# Altium PCB BLDC_v3.PcbDoc (part 2 of 2)
Units mil, origin at the board's own origin, x right, y up, seen from the top; angles counter-clockwise.
Board outline 4645.67 x 4055.12 mil, 4 copper layers (Component Side, Signal Layer 1, Signal Layer 2, Solder Side), stack 33.235 mil thick; 202 components, 108 nets, 596 pads, 98 vias.
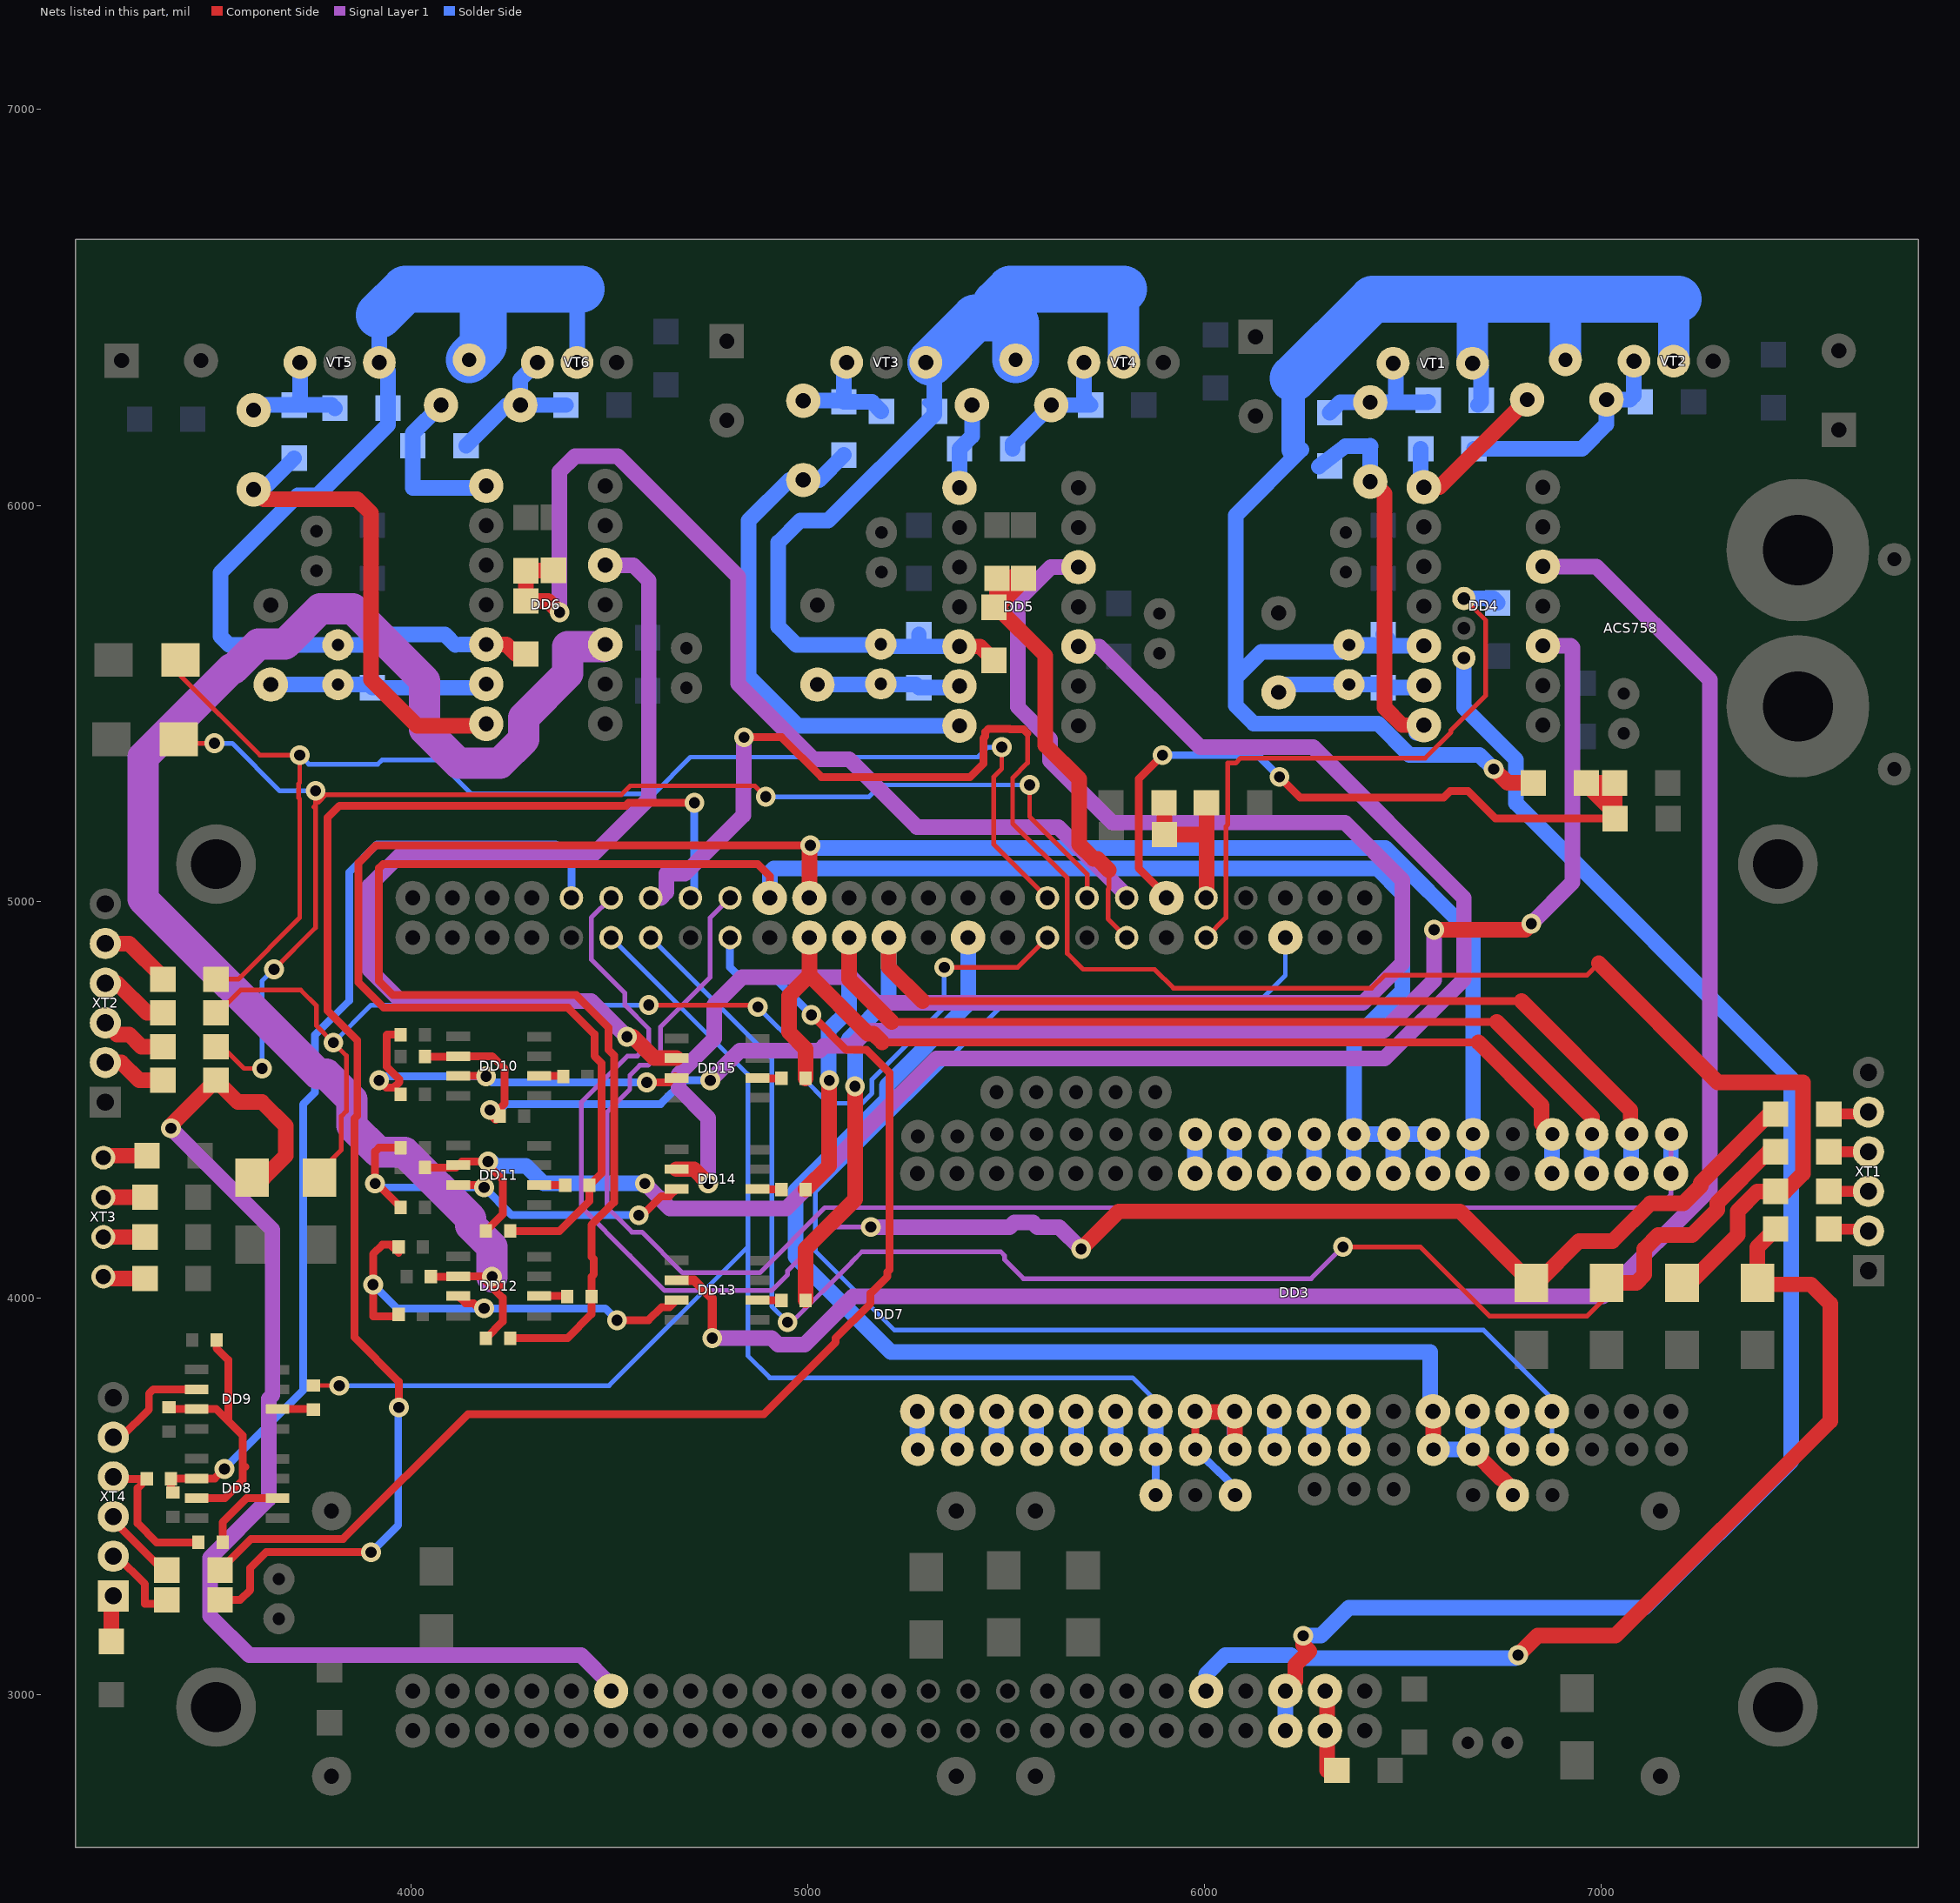
[diagram p3: the nets of this part, all layers, seen from the top]

## Via types
v1: diameter 50, hole 28, Component Side to Solder Side, 95 vias
v2: diameter 82.68, hole 35.43, Component Side to Solder Side, 2 vias
v3: diameter 50/50/50/50 (per signal layer), hole 28, Component Side to Solder Side, 1 vias

## Nets (pads, with @x,y where several pads share a name; then routed paths per layer and width w, separated by ;. In a path a pad name is that pad's centre, name@x,y a point inside that pad or via, vN(x,y) a via of type N, cw(c..) or ccw(c..) an arc to the next point about the centre after c; other vN are vias at no path point) (continued)
HIN_A_OPTO: DD4.10 DD10.6 R38.2 R41.2 | length 4094.5
  Component Side w19.68: R38.2@4035.51,4610 4119,4610 DD10.6@4120,4611 4204.98,4611 4236.65,4579.32 4236.65,4492.17 4224.49,4480 R41.2@4224.49,4460 4214.49,4450 4200,4464.49 v1(4200,4475)
  Component Side w39.37: v1(6580,4930) 6810,4930 v1(6825,4945)
  Signal Layer 1 w39.37: v1(4755,4550) 4830,4625 5030.1,4625 5041.6,4636.5 5111.5,4636.5 5150,4675 6452.62,4675 6580,4802.38 v1(6580,4930) ; v1(6825,4945) 6928.98,5048.98 6928.98,5641.02 6924.29,5645.71 DD4.10@6854.17,5645.71
  Solder Side w19.68: v1(4200,4475) 4225,4475 4240,4490 4630,4490 4690,4550 v1(4755,4550)
HIN_B: DD3.26 DD7.29 R42.1 R51.1 XP58.1 | length 5278.3
  Component Side w19.68: R42.1@4250.51,4170 4375,4170 4450.51,4245.51 R51.1@4450.51,4285 4480.85,4315.33 4480.85,4593.63 4463.15,4611.33 4463.15,4666.39 4396.2,4733.35 3932.11,4733.35 3868.5,4796.95 3868.5,5098.5 3912.5,5142.5 v1(5007.5,5142.5)
  Component Side w39.37: DD7.29@5005,5010 5005,5140 v1(5007.5,5142.5)
  Solder Side w39.37: v1(5007.5,5142.5) 5013.86,5136.14 6457.03,5136.14 6678.11,4915.06 XP58.1@6678.11,4414.02 6677.05,4412.95 DD3.26@6677.05,4315.12
HIN_B_OPTO: DD5.10 DD11.6 R39.2 R42.2 | length 4561.4
  Component Side w19.68: R39.2@4035.51,4330 4114,4330 DD11.6@4120,4336 4129,4345 v1(4195,4345) 4195,4335.98 4231.65,4299.32 4231.65,4212.17 R42.2@4189.49,4170
  Signal Layer 1 w39.37: v1(4590,4290) 4653.5,4226.5 4946.5,4226.5 5325,4605 6455,4605 6655,4805 6655,5010 6275,5390 5990,5390 5735.87,5644.13 DD5.10@5683.35,5644.13
  Solder Side w39.37: v1(4195,4345) 4202.52,4345 4212.85,4334.66 4290.34,4334.66 4335,4290 v1(4590,4290)
HIN_C: DD3.27 DD3.28 DD3.29 DD7.31 R43.1 R52.1 XP51.1 XP52.1 XP57.1 | length 5801.5
  Component Side w19.68: R43.1@4250.51,3900 4395,3900 4455.51,3960.51 R52.1@4455.51,4005 4455.51,4054.53 4461.65,4060.68 4461.65,4099.32 4455.51,4105.47 4455.51,4185.51 4512.34,4242.34 4512.34,4613.35 4498.35,4627.34 4498.35,4683.5 4417.01,4764.84 3955.16,4764.84 3920,4800 3920,5085 3930,5095 4875,5095 4905,5065 DD7.31@4905,5010
  Solder Side w39.37: DD7.31@4905,5010 4905,5075 4914.8,5084.8 6435.98,5084.8 6500,5020.79 6500,4775 6378.11,4653.11 XP51.1@6378.11,4414.02 ; DD3.29@6377.05,4315.12 6377.05,4412.95 XP51.1@6378.11,4414.02 ; DD3.28@6477.05,4315.12 6477.05,4412.95 XP52.1@6478.11,4414.02 ; DD3.27@6577.05,4315.12 6577.05,4412.95 XP57.1@6578.11,4414.02 XP52.1@6478.11,4414.02 ; XP51.1@6378.11,4414.02 XP52.1@6478.11,4414.02
HIN_C_OPTO: DD6.10 DD12.6 R40.2 R43.2 | length 3813.2
  Component Side w19.68: R40.2@4050.51,4055 4119,4055 DD12.6@4120,4056 4177.48,4056 ; R43.2@4189.49,3900 4231.65,3942.17 4231.65,4001.82 v1@4191.74,4041.74 ; v1@4208.27,4059.15 4208.27,4046.73 4225,4030
  Signal Layer 1 w78.74: 3547.5,5587.5 3325,5365 3325,5007.26 3766.08,4566.18 3786.56,4566.18 3851.18,4501.56 3851.18,4436.08 3918.44,4368.82 3983.92,4368.82 4151.18,4201.56 4151.18,4183.82 4205,4130 v1(4205,4055) ; 3552.64,5587.21 3615.43,5650 3682.68,5650 3771.3,5738.62 3853.92,5738.62 4035,5557.55 4035,5435 4120,5350 4224.89,5350 4284.88,5410 4284.88,5464.88 4395.91,5575.91 4395.91,5643.62 4484.88,5643.62 DD6.10@4490.39,5649.13
  Solder Side w19.68: v1(4205,4055) 4205,4055.88 v1@4208.27,4059.15
HO_A: DD4.7 R2.1 VD2.2 | length 977.7
  Component Side w39.37: VD2.2@6418.78,6059.88 6425.12,6059.88 6455,6030 6455,5490 6499.29,5445.71 DD4.7@6554.17,5445.71
  Solder Side w39.37: R2.1@6289.49,6098.07 6356.42,6149.25 6419.41,6149.25 6418.78,6149.88 VD2.2@6418.78,6059.88 ; DD4.7@6534.49,5426.02 DD4.7@6554.17,5445.71 DD4.7@6550.24,5449.65
HO_C: DD6.7 R10.1 VD8.2 | length 1219.1
  Component Side w39.37: VD8.2@3603.82,6040.2 3629.02,6015 3865,6015 3900,5980 3900,5560 4015.87,5444.13 DD6.7@4195,5444.13
  Solder Side w39.37: VD8.2@3603.82,6040.2 3627.44,6040.2 R10.1@3706.18,6118.94
HO_GATE_A: R1.1 R2.2 VD2.1 VT1.1 | length 372.1
  Solder Side w39.37: R2.2@6316.42,6233.25 6343.05,6259.88 VD2.1@6418.78,6259.88 ; VD2.1@6424.69,6265.79 VD2.1@6418.78,6259.88 ; VT1.1@6483.74,6363.43 6483.74,6261.85 6481.77,6259.88 ; R1.1@6564.45,6260.67 6563.66,6259.88 6481.77,6259.88 ; VD2.1@6418.78,6259.88 6481.77,6259.88
HO_GATE_B: R5.1 R6.2 VD5.1 VT3.1 | length 310.2
  Solder Side w39.37: VD5.1@4989.65,6263.82 5089,6263.82 R6.2@5092.01,6260.81 ; VT3.1@5098.7,6360.28 5092.01,6353.58 R6.2@5092.01,6260.81 ; R5.1@5186.5,6237.05 5162.73,6260.81 R6.2@5092.01,6260.81
HO_GATE_C: R9.1 R10.2 VD8.1 VT5.1 | length 357.3
  Solder Side w19.68: R9.1@3793.58,6259.88 R9.1@3808.54,6244.92
  Solder Side w39.37: VD8.1@3603.82,6240.2 3616.56,6252.94 R10.2@3706.18,6252.94 ; VT5.1@3714.06,6353.58 VT5.1@3720.75,6360.28 3720.75,6267.5 R10.2@3706.18,6252.94 ; R9.1@3808.54,6244.92 3800.53,6252.94 R10.2@3706.18,6252.94
I2C2_SCL: DD7.34 R32.2 | length 3112.8
  Component Side w19.68: R32.2@3519,3315 3597.43,3393.43 3829.55,3393.43 4144.47,3708.35 4890.11,3708.35 5071.46,3889.69 5071.46,3900.1 5158.74,3987.38 5158.74,4012.76 5201.65,4055.68 5201.65,4066.65 5206.65,4071.65 5206.65,4569.32 5149.32,4626.65 5098.35,4626.65 v1(5010,4715)
  Solder Side w19.68: DD7.34@4805,4910 4805,4835 4835,4805 4920,4805 v1(5010,4715)
I2C2_SDA: DD7.35 R29.2 | length 3609.2
  Component Side w19.68: R29.2@3519,3240 3570,3240 3595,3265 3595,3320 3635,3360 v1(3900,3360) ; v1(3970,3725) 3970,3790 3858.35,3901.65 3858.35,4453.96 3865.28,4460.89 3865.28,4650.7 3790,4725.98 3790,5212.13 3820.54,5242.67 4542.06,5242.67 4549.38,5250 v1(4715,5250)
  Solder Side w19.68: v1(3900,3360) 3968.35,3428.35 3968.35,3723.35 v1(3970,3725) ; DD7.35@4705,5010 4715,5020 v1(4715,5250)
I_SENSE: ACS758.3 C34.2 DD7.10 | length 1550.4
  Component Side w11.81: DD7.10@6005,4910 6055,4960 6055,5190 6060,5195 6060,5350 6079.59,5350 6092.31,5362.72 6557.48,5362.72 6622.28,5427.52 6622.28,5432.69 6710,5520.41 6710,5710 ACS758.3@6655,5765
  Component Side w39.37: DD7.10@6005,4910 DD7.10@6010,4905
  Solder Side w39.37: ACS758.3@6655,5765 6729,5765 C34.2@6740,5754
LIN_A: DD3.22 DD7.26 R56.1 XP59.1 | length 3269.9
  Component Side w19.68: 5290,4750 6800,4750
  Component Side w39.37: R56.1@4995.51,3995 4995.51,4125.41 5120,4249.9 v1(5120,4535) ; DD7.26@5205,4910 5205,4835 5290,4750 ; 6800,4750 7075,4475 7075,4417.13 XP59.1@7078.11,4414.02
  Solder Side w39.37: v1(5120,4535) 5120,4640 5105,4655 5205,4755 DD7.26@5205,4910 ; DD3.22@7077.05,4315.12 7077.05,4412.95 XP59.1@7078.11,4414.02
LIN_A_OPTO: DD4.12 DD13.6 | length 4717.2
  Component Side w23.62: DD13.6@4670,4046 4714,4046 4760,4000 v1(4760,3900)
  Signal Layer 1 w39.37: v1(4760,3900) 4910.1,3900 4926.6,3883.5 4993.5,3883.5 5115,4005 7005,4005 7275,4275 7275,5560 6989.29,5845.71 DD4.12@6854.17,5845.71
LIN_B: DD3.23 DD7.28 R57.1 XP56.1 | length 2945.8
  Component Side w19.68: 5212.64,4697.36 6737.64,4697.36
  Component Side w39.37: R57.1@4995.51,4275 5055,4334.49 v1(5055,4550) ; DD7.28@5105,4910 5105,4805 5212.64,4697.36 ; 6737.64,4697.36 6978.11,4456.89 XP56.1@6978.11,4414.02
  Solder Side w39.37: v1(5055,4550) 5053.82,4551.18 5053.82,4676.2 5105,4727.38 DD7.28@5105,4910 ; DD3.23@6977.05,4315.12 6977.05,4412.95 XP56.1@6978.11,4414.02
LIN_B_OPTO: DD5.12 DD14.6 | length 4294.4
  Component Side w39.37: DD14.6@4670,4326 4714,4326 v1(4750,4290)
  Signal Layer 1 w39.37: v1(4750,4290) 4750,4455 4675,4530 4675,4565 4765,4655 4765,4740 4835,4810 5110,4810 5175,4745 6400,4745 6500,4845 6500,5055 6355,5200 5768.09,5200 5611.5,5356.6 5611.5,5410.2 5530,5491.69 5530,5760 5614.13,5844.13 DD5.12@5683.35,5844.13
LIN_C: DD3.24 DD7.30 R58.1 XP55.1 | length 2559
  Component Side w19.68: 5188.26,4646.18 6691.61,4646.18
  Component Side w39.37: R58.1@4995.51,4555 4995.51,4629.49 4953.5,4671.5 4953.5,4763.5 5005,4815 ; DD7.30@5005,4910 5005,4815 ; 5188.26,4646.18 5166.45,4667.99 5152.01,4667.99 5005,4815 ; 6691.61,4646.18 6850.94,4486.85 6850.94,4441.18 XP55.1@6878.11,4414.02
  Solder Side w39.37: DD3.24@6877.05,4315.12 6877.05,4412.95 XP55.1@6878.11,4414.02
LIN_C_OPTO: DD6.12 DD15.6 | length 2549.7
  Component Side w39.37: v1(4545,4660) 4560,4660 4614,4606 DD15.6@4670,4606
  Signal Layer 1 w39.37: DD6.12@4490.39,5849.13 4560.87,5849.13 4600,5810 4600,5260 4460,5120 3975,5120 3895,5040 3895,4830 3975,4750 4455,4750 v1(4545,4660)
LO_A: DD4.1 R3.1 VD3.2 | length 451.9
  Component Side w39.37: DD4.1@6554.17,6045.71 6593.58,6045.71 VD3.2@6814.45,6266.57
  Solder Side w39.37: R3.1@6546.3,6142.56 6546.3,6053.58 DD4.1@6554.17,6045.71
LO_B: DD5.1 R7.1 VD6.2 | length 221.7
  Solder Side w39.37: DD5.1@5383.35,6044.13 R7.1@5383.35,6142.56 5414.84,6174.06 VD6.2@5414.84,6252.8
LO_C: DD6.1 R11.1 VD9.2 | length 425.1
  Solder Side w39.37: VD9.2@4076.26,6252.8 4005.39,6181.93 R11.1@4005.39,6150.43 4005.39,6044.13 4185.39,6044.13 DD6.1@4190.39,6049.13
LO_GATE_A: R3.2 R4.1 VD3.1 VT2.1 | length 582.1
  Solder Side w39.37: R3.2@6680.3,6142.56 6952.56,6142.56 7014.45,6204.45 VD3.1@7014.45,6266.57 7073.5,6266.57 7083.74,6276.81 VT2.1@7083.74,6363.43
LO_GATE_B: R7.2 R8.1 VD6.1 VT4.1 | length 364.3
  Solder Side w39.37: R7.2@5517.35,6142.56 5517.35,6155.3 VD6.1@5614.84,6252.8 R8.1@5714.06,6252.8 5697.13,6269.72 VT4.1@5697.13,6360.28
LO_GATE_C: R11.2 R12.1 VD9.1 VT6.1 | length 419.5
  Solder Side w39.37: R11.2@4139.39,6150.43 4241.76,6252.8 VD9.1@4276.26,6252.8 ; VT6.1@4319.17,6360.28 4276.26,6317.36 VD9.1@4276.26,6252.8 ; R12.1@4391.22,6252.8 VD9.1@4276.26,6252.8
NetACS758_1: ACS758.1 DD7.55 DD7.56 | length 4049.8
  Component Side w39.37: DD7.55@6205,3010 6230.2,3035.2 6230.2,3075.79 6265,3110.59 6250,3125.59 v1(6250,3149.61)
  Solder Side w39.37: DD7.56@6205,2910 DD7.55@6205,3010 ; v1(6250,3149.61) 6294.61,3149.61 6365,3220 7110,3220 7480,3590 7480,4555 6786.5,5248.5 6786.5,5358.4 6655,5489.9 ACS758.1@6655,5615
NetDD5_7: DD5.7 R6.1 VD5.2 | length 1287.3
  Solder Side w19.68: DD5.7@5381.77,5445.71 DD5.7@5383.35,5444.13
  Solder Side w39.37: R6.1@5092.01,6126.81 5029.02,6063.82 VD5.2@4989.65,6063.82 4954.21,6063.82 4851.85,5961.46 4851.85,5567.76 4975.47,5444.13 DD5.7@5383.35,5444.13
NetDD7_53: DD7.53 DD7.54 R21.1 | length 202.1
  Component Side w39.37: DD7.53@6305,3010 6310,3005 R21.1@6310,2810
NetDD8_2: DD8.2 R33.2 | length 214.1
  Component Side w19.68: R33.2@3525.51,3385 3525.51,3435.51 3586,3496 DD8.2@3664,3496
NetDD8_7: DD8.7 DD9.7 R30.2 R31.1 | length 689.8
  Component Side w19.68: R30.2@3390,3725.51 3394.51,3721 DD9.7@3460,3721 3509.98,3721 3576.65,3654.32 3576.65,3570 ; DD8.7@3460,3496 3531,3496 3576.65,3541.65 3576.65,3570 ; R31.1@3510.51,3895 3510.51,3874.49 3540,3845 3540,3690 ; 3582.47,3575.82 3576.65,3570
NetDD9_2: DD9.2 R34.2 | length 91.6
  Component Side w19.68: DD9.2@3664,3721 3753.49,3721 R34.2@3755,3719.49
NetDD9_6: DD9.6 XT4.5 | length 283.6
  Component Side w19.68: XT4.5@3250,3650 3270,3650 3340,3720 3340,3760 3351,3771 DD9.6@3460,3771
NetDD10_2: DD10.2 R50.2 | length 60.9
  Component Side w19.68: DD10.2@4324,4561 4383.49,4561 R50.2@4384.49,4560
NetDD10_7: DD10.7 DD15.7 R44.2 R45.1 | length 1071.2
  Component Side w19.68: v1(3920,4550) 3938.24,4531.76 3957.73,4531.76 3971.65,4545.68 3971.65,4552.27 3939.15,4584.77 3939.15,4664.15 3940,4665 R45.1@3974.49,4665 ; DD10.7@4120,4561 4189,4561 v1(4190,4560) ; v1(4595,4545) 4651,4545 4666,4560 DD15.7@4670,4556
  Solder Side w19.68: v1(3920,4550) 3930,4560 v1(4190,4560) 4205,4545 v1(4595,4545)
NetDD11_2: DD11.2 R51.2 | length 65.9
  Component Side w19.68: DD11.2@4324,4286 4388.49,4286 R51.2@4389.49,4285
NetDD11_7: DD11.7 DD14.7 R46.2 R47.1 | length 1125.9
  Component Side w19.68: R46.2@3974.49,4230 3914.49,4290 v1(3910,4290) 3910,4370 3920,4380 R47.1@3974.49,4380 ; DD11.7@4120,4286 4179,4286 v1(4185,4280) ; v1(4575,4210) 4583.94,4210 4631.78,4257.84 4651.84,4257.84 DD14.7@4670,4276
  Solder Side w19.68: v1(3910,4290) 3914.49,4290 3924.49,4280 v1(4185,4280) 4255,4210 v1(4575,4210)
NetDD12_2: DD12.2 R52.2 | length 70.9
  Component Side w19.68: DD12.2@4324,4006 4393.49,4006 R52.2@4394.49,4005
NetDD12_7: DD12.7 DD13.7 R48.2 R49.1 | length 1207.4
  Component Side w19.68: R48.2@3969.49,3960 3964.49,3955 3905,3955 v1(3905,4035) 3905,4111.93 3928.42,4135.35 3949.13,4135.35 R49.1@3969.49,4115 ; DD12.7@4120,4006 4138.16,3987.84 4158.22,3987.84 4171.06,3975 v1(4185,3975) ; v1(4520,3945) 4598.94,3945 4631.78,3977.84 4651.84,3977.84 DD13.7@4670,3996
  Solder Side w19.68: v1(3905,4035) 3965,3975 v1(4185,3975) 4490,3975 v1(4520,3945)
NetDD13_2: DD13.2 R56.2 | length 60.9
  Component Side w19.68: DD13.2@4874,3996 4875,3995 R56.2@4934.49,3995
NetDD14_2: DD14.2 R57.2 | length 60.9
  Component Side w19.68: DD14.2@4874,4276 4875,4275 R57.2@4934.49,4275
NetDD15_2: DD15.2 R58.2 | length 60.9
  Component Side w19.68: DD15.2@4874,4556 4875,4555 R58.2@4934.49,4555
NetR13_1: R13.1 XT1.2 | length 95
  Component Side w27.56: R13.1@7575,4175 XT1.2@7670,4175
NetR14_1: R14.1 XT1.3 | length 100
  Component Side w27.56: R14.1@7575,4270 XT1.3@7675,4270
NetR15_1: R15.1 XT1.4 | length 100
  Component Side w27.56: R15.1@7575,4370 XT1.4@7675,4370
NetR16_1: R16.1 XT1.5 | length 95
  Component Side w27.56: R16.1@7575,4465 XT1.5@7670,4465
NetR17_1: R17.1 XT2.2 | length 163.6
  Component Side w39.37: XT2.2@3230,4595 3270,4595 3315,4550 R17.1@3375,4550
NetR18_1: R18.1 XT2.3 | length 169.9
  Component Side w39.37: XT2.3@3230,4695 3259.13,4665.87 3290.22,4665.87 3321.09,4635 R18.1@3375,4635
NetR19_1: R19.1 XT2.4 | length 176.1
  Component Side w39.37: XT2.4@3230,4795 3260,4795 3335,4720 R19.1@3375,4720
NetR20_1: R20.1 XT2.5 | length 185.2
  Component Side w39.37: XT2.5@3230,4895 3290,4895 3375,4810 R20.1@3375,4805
NetR22_1: R22.1 XT3.1 | length 112.1
  Component Side w39.37: XT3.1@3225,4355 3230,4360 R22.1@3335,4360
NetR23_1: R23.1 XT3.2 | length 105
  Component Side w39.37: XT3.2@3225,4255 R23.1@3330,4255
NetR24_1: R24.1 XT3.3 | length 105
  Component Side w39.37: XT3.3@3225,4155 R24.1@3330,4155
NetR25_1: R25.1 XT3.4 | length 107.1
  Component Side w39.37: XT3.4@3225,4055 3230,4050 R25.1@3330,4050
NetR27_1: R27.1 R33.1 XT4.4 | length 381.6
  Component Side w19.68: XT4.4@3250,3550 3255,3545 R27.1@3334.49,3545 3311.02,3521.54 3311.02,3433 3359.02,3385 R33.1@3464.49,3385
NetR28_1: R28.1 XT4.1 | length 117.1
  Component Side w39.37: R28.1@3245,3135 3245,3245 XT4.1@3250,3250
NetR29_1: R29.1 XT4.2 | length 217.8
  Component Side w19.68: XT4.2@3250,3350 3259.36,3350 3330,3279.36 3330,3230 3375,3230 R29.1@3385,3240
NetR32_1: R32.1 XT4.3 | length 190.9
  Component Side w19.68: XT4.3@3250,3440 R32.1@3385,3305
PA_0: DD3.5 XP25.1 | length 96.1
  Solder Side w39.37: XP25.1@5677.05,3619.02 DD3.5@5677.05,3715.12
PA_1: DD3.6 XP26.1 | length 96.1
  Solder Side w39.37: XP26.1@5777.05,3619.02 DD3.6@5777.05,3715.12
PA_4: DD3.8 DD3.9 XP16.1 XP28.1 XP29.1 | length 530.6
  Component Side w19.68: XP16.1@5978.11,3619.02 DD3.8@5978.11,3714.06
  Component Side w39.37: DD3.8@5977.05,3715.12 5978.11,3714.06 6078.11,3714.06 XP29.1@6078.11,3619.02
  Solder Side w19.68: XP16.1@5978.11,3619.02 XP28.1@6078.11,3524.02
  Solder Side w39.37: XP29.1@6077.05,3614.02 DD3.9@6077.05,3715.12
PA_5: DD3.10 XP30.1 | length 96.1
  Solder Side w39.37: XP30.1@6177.05,3619.02 DD3.10@6177.05,3715.12
PA_6: DD3.11 XP31.1 | length 106.1
  Solder Side w39.37: XP31.1@6277.05,3609.02 DD3.11@6277.05,3715.12
PA_7: DD3.12 XP32.1 | length 101.1
  Solder Side w39.37: XP32.1@6377.05,3614.02 DD3.12@6377.05,3715.12
PB_3: DD3.31 XP49.1 | length 98.9
  Solder Side w39.37: DD3.31@6177.05,4315.12 XP49.1@6178.11,4414.02
PB_4: DD3.32 XP53.1 | length 98.9
  Solder Side w39.37: DD3.32@6077.05,4315.12 XP53.1@6077.05,4414.02
PB_5: DD3.33 XP48.1 | length 98.9
  Solder Side w39.37: DD3.33@5977.05,4315.12 XP48.1@5977.05,4414.02
PB_10: DD3.14 DD3.15 DD7.22 XP4.1 XP34.1 XP35.1 | length 3287.2
  Component Side w39.37: DD3.14@6577.05,3715.12 6578.11,3714.06 XP34.1@6578.11,3619.02 ; XP35.1@6678.11,3619.02 6678.11,3616.01 6747.94,3546.18 6750.94,3546.18 6778.11,3519.02 XP4.1@6778.11,3504.02
  Solder Side w39.37: DD7.22@5405,4910 5405,4741.7 5200.12,4536.81 5200.12,4501.81 5153.19,4454.88 4970,4271.7 4970,4105 5210,3865 6570,3865 6570,3722.17 DD3.14@6577.05,3715.12 ; XP34.1@6578.11,3619.02 6677.05,3619.02 DD3.15@6677.05,3715.12
PB_11: DD3.16 XP36.1 | length 96.1
  Solder Side w39.37: XP36.1@6777.05,3619.02 DD3.16@6777.05,3715.12
PB_12: DD3.21 DD7.33 XP60.1 | length 4004.2
  Signal Layer 1 w11.81: DD7.33@4805,5010 4755,4960 4755,4810 4630,4685 4630,4619.59 4598.13,4587.72 4577.31,4587.72 4552.28,4562.69 4552.28,4527.28 4495,4470 4495,4229.59 4557.31,4167.28 4582.72,4167.28 4685,4065 4880,4065 5043.9,4228.9 7143.9,4228.9 7177.05,4262.05 DD3.21@7177.05,4315.12 7177.05,4412.95 XP60.1@7178.11,4414.02
  Solder Side w39.37: DD3.21@7177.05,4315.12 XP60.1@7177.05,4414.02
PB_15: DD3.30 XP50.1 | length 98.9
  Solder Side w39.37: DD3.30@6277.05,4315.12 XP50.1@6277.05,4414.02
PC_13: DD3.2 XP22.1 | length 101.1
  Solder Side w39.37: XP22.1@5377.05,3614.02 DD3.2@5377.05,3715.12
PC_14: DD3.3 XP23.1 | length 101.1
  Solder Side w39.37: XP23.1@5477.05,3614.02 DD3.3@5477.05,3715.12
PC_15: DD3.4 XP24.1 | length 91.1
  Solder Side w39.37: XP24.1@5577.05,3624.02 DD3.4@5577.05,3715.12
PHASE_A: C5.1 C6.2 DD4.5 R1.2 R35.1 VT1.3 VT2.2 XP11.1 | length 3988.4
  Component Side w39.37: v1(6730,5335) 6765,5300 R35.1@6830,5300
  Solder Side w39.37: 6225,6140 6245,6140 6080,5975 6080,5566.02 ; C5.1@6425.83,5648.07 C6.2@6365.2,5648.07 ; C5.1@6451.81,5674.06 6463.62,5662.24 C5.1@6463.62,5645.71 ; DD4.5@6554.17,5645.71 C5.1@6463.62,5645.71 ; VT1.3@6683.74,6363.43 6698.45,6348.72 6698.45,6260.67 R1.2@6690.57,6252.8 ; v1(6730,5335) 6694.09,5370.91 6517.23,5370.91 6438.13,5450 6125,5450 6080,5495 6080,5566.02 ; 6080,5566.02 6144.72,5630.75 6347.87,5630.75 C6.2@6365.2,5648.07 ; C6.2@6365.2,5648.07 6367.56,5645.71 C5.1@6463.62,5645.71
  Solder Side w59.06: 6225,6140 6225,6320
  Solder Side w78.74: VT1.3@6676.65,6358.31 6676.65,6518.35 ; XP11.1@6910.91,6366.97 6910.91,6514.09 ; VT2.2@7183.74,6363.43 7183.74,6508.74 7195,6520
  Solder Side w118.11: 6225,6320 6425,6520 7195,6520
PHASE_A_STM: C33.2 DD7.11 R35.2 R53.1 | length 1894.4
  Component Side w19.68: v1(5895,5370) 5835,5310 5835,5085 5905,5015 DD7.11@5905,5010 ; v1(6190,5315) 6241.65,5263.35 6604.32,5263.35 6620.98,5280 6665,5280 6735,5210 C33.2@7036,5210
  Component Side w39.37: R35.2@6959,5300 7035,5224 R53.1@7035,5300 R35.2@6959,5300
  Solder Side w19.68: v1(5895,5370) 6135,5370 v1(6190,5315)
PHASE_B: C11.1 C12.2 DD5.5 R5.2 R36.1 VT3.3 VT4.2 XP12.1 | length 2451.1
  Component Side w39.37: DD5.5@5383.35,5644.13 5434.87,5644.13 R36.1@5470,5609
  Solder Side w19.68: R5.2@5298.7,6258.84 R5.2@5320.5,6237.05
  Solder Side w39.37: C11.1@5280.98,5674.06 C11.1@5280.98,5644.13 ; VT3.3@5298.7,6360.28 5320.35,6338.62 5320.35,6237.19 R5.2@5320.5,6237.05 5320.5,6229.31 5052.64,5961.46 4981.77,5961.46 4926.65,5906.34 4926.65,5693.74 4972.32,5648.07 5194.37,5648.07 5198.31,5644.13 C11.1@5280.98,5644.13 ; DD5.5@5383.35,5644.13 C11.1@5280.98,5644.13
  Solder Side w78.74: VT4.2@5797.13,6360.28 5797.13,6456.81 5797.13,6545.28
  Solder Side w118.11: VT3.3@5310.91,6360.28 5423.11,6472.48 5511.81,6472.48 ; XP12.1@5525.08,6366.97 5525.08,6459.21 5475.41,6508.88 5511.81,6545.28 5797.13,6545.28
PHASE_B_STM: C31.2 DD7.14 R36.2 R54.1 | length 1240.6
  Component Side w11.81: 5760,5080 5760,5034.06 5757.76,5031.81 5757.76,4957.24 DD7.14@5805,4910
  Component Side w39.37: R54.1@5470,5819 5554,5819 R36.2@5478,5743 ; R54.1@5478,5816 R36.2@5478,5743 ; 5760,5080 5731.69,5108.31 5721.7,5108.31 5685,5145.02 5685,5310 5600,5395 5600,5621 R36.2@5478,5743
PHASE_C: C17.1 C18.2 DD6.5 R9.2 R37.1 VT5.3 VT6.2 XP13.1 | length 2748.6
  Component Side w39.37: DD6.5@4190.39,5649.13 4240.87,5649.13 4265,5625 R37.1@4290,5625
  Solder Side w39.37: 3920.75,6479.8 VT5.3@3920.75,6360.28 3942.54,6338.48 R9.2@3942.54,6244.92 3942.54,6202.54 3765,6025 3715,6025 3520,5830 3520,5670 3541.93,5648.07 C18.2@3816.42,5648.07 3877.05,5648.07 C17.1@3903.03,5674.06 4085.94,5674.06 4112.5,5647.5 ; 4125.87,5649.13 DD6.5@4190.39,5649.13 ; XP13.1@4147.13,6366.97 XP13.1@4147.13,6377.13 ; VT6.2@4419.17,6360.28 4419.17,6535.31 4429.13,6545.28
  Solder Side w118.11: 3920.75,6479.8 3986.22,6545.28 4183.07,6545.28 ; XP13.1@4147.13,6366.97 4183.07,6402.91 4183.07,6545.28 ; 4429.13,6545.28 4183.07,6545.28
PHASE_C_STM: C32.2 DD7.13 R37.2 R55.1 | length 2667.7
  Component Side w39.37: C32.2@4360,5836 4291,5836 R55.1@4290,5835 R37.2@4290,5759 4346,5759 v1(4375,5730)
  Signal Layer 1 w39.37: v1(4375,5730) 4375,6085 4413.94,6123.94 4521.38,6123.94 4825,5820.32 4825,5550 5015,5360 5105,5360 5276.5,5188.5 5632.28,5188.5 5805,5015.79 DD7.13@5805,5010
RESET: DD3.17 DD7.6 XP37.1 | length 3795.4
  Solder Side w11.81: DD7.6@6205,4910 6205,4815 6125,4735 5486.2,4735 5020,4268.8 5020,4119.59 5219.59,3920 6705,3920 6877.05,3747.95 DD3.17@6877.05,3715.12 XP37.1@6877.05,3619.02
RX: DD7.41 DD8.6 R26.2 R27.2 | length 2514.9
  Component Side w19.68: R26.2@3395.51,3511.02 R27.2@3395.51,3545 3396.51,3546 DD8.6@3460,3546 3506,3546 v1(3530,3570)
  Solder Side w19.68: v1(3530,3570) 3728.35,3768.35 3728.35,4489.32 3758.35,4519.32 3758.35,4664.32 3845,4750.98 3845,5075 3915,5145 4365,5145 4405,5105 DD7.41@4405,5010
SPI1_CS: DD7.89 R17.2 VD16.2 | length 3073.5
  Component Side w39.37: v1(3395.67,4429.13) 3395.67,4436.67 R17.2@3509,4550 3564,4495 3625.1,4495 3685,4435.1 3685,4360 3629.65,4304.65 VD16.2@3600,4304.65
  Signal Layer 1 w39.37: v1(3395.67,4429.13) 3651.5,4173.31 3651.5,3756.83 3641.73,3747.07 3641.73,3494.09 3494.09,3346.46 3494.09,3198.82 3592.52,3100.39 4429.13,3100.39 4505,3024.53 DD7.89@4505,3010
SPI1_MISO: DD7.18 R19.2 VD18.2 | length 3040.1
  Component Side w11.81: R19.2@3509,4720 3513.41,4720 3571.12,4777.72 3722.69,4777.72 3762.44,4737.97 3762.44,4687.56 v1(3805,4645) 3837.72,4612.28 3837.72,4472.31 3825,4459.59 3825,4374.59 3797.69,4347.28 3782.64,4347.28 VD18.2@3740,4304.65 ; v1(4600.19,4739.81) 4870.19,4739.81 v1(4875,4735) ; v1(5345,4835) 5530,4835 DD7.18@5605,4910
  Solder Side w11.81: v1(3805,4645) 3899.81,4739.81 v1(4600.19,4739.81) ; v1(4875,4735) 4985,4625 4985,4559.59 5052.31,4492.28 5137.69,4492.28 5162.72,4517.31 5162.72,4552.31 5345,4734.59 v1(5345,4835)
SPI1_MOSI: DD7.17 R20.2 VD19.2 | length 3422.5
  Component Side w11.81: VD19.2@3419.65,5610 3419.65,5570.35 3620,5370 v1(3720,5370) 3720,5300.41 3717.28,5297.69 3717.28,5262.31 3720,5259.59 3720,4960 3565,4805 R20.2@3509,4805 ; v1(5490,5390) 5490,5335.41 5470,5315.41 5470,5145 DD7.17@5605,5010
  Solder Side w11.81: v1(3720,5370) 3742.72,5347.28 3916.87,5347.28 3927.31,5357.72 4067.28,5357.72 4152.72,5272.28 4612.28,5272.28 4705,5365 5430,5365 5455,5390 v1(5490,5390)
SPI1_SCK: DD7.15 R18.2 VD17.2 | length 3490.1
  Component Side w11.81: VD17.2@3414.65,5410 3424.65,5400 v1(3505,5400) ; R18.2@3509,4635 3525,4635 3580,4580 v1(3625,4580) ; v1(3655,4830) 3760,4935 v1(3760,5280) ; 3755,5238.97 3760,5243.97 ; v1@3760,5260 3768.01,5251.99 3786.26,5270.23 4530.64,5270.23 4553.13,5292.72 4867.28,5292.72 v1(4895,5265) ; v1(5560,5295) 5560,5215 5705,5070 DD7.15@5705,5010
  Solder Side w11.81: v1(3505,5400) 3550,5400 3670,5280 v1(3760,5280) ; v1(3625,4580) 3625,4800 v1(3655,4830) ; v1(4895,5265) 5155,5265 5185,5295 v1(5560,5295)
SPI2_CS: DD7.59 R13.2 VD1.2 | length 2499.9
  Component Side w39.37: v1(6791.34,3100.39) 6840.55,3149.61 7037.4,3149.61 7578.74,3690.94 7578.74,3986.22 7529.53,4035.43 7399.21,4035.43 VD1.2@7395,4039.65 7395,4129 R13.2@7441,4175
  Solder Side w39.37: DD7.59@6005,3052.24 6053.15,3100.39 6219.32,3100.39 6226.6,3093.11 6784.06,3093.11 v1(6791.34,3100.39)
SPI2_MISO: DD7.38 R15.2 VD7.2 | length 4058
  Component Side w11.81: v1(6350,4130) 6545,4130 6720,3955 6965,3955 7015,4005 VD7.2@7015,4039.65
  Component Side w39.37: VD7.2@7015,4039.65 7089.65,4039.65 7110,4060 7110,4125 7145,4160 7230,4160 7293.82,4223.82 7293.82,4241.2 7422.62,4370 R15.2@7441,4370
  Signal Layer 1 w11.81: v1(4950,3940) 4960,3940 5112.28,4092.28 5112.28,4092.69 5137.31,4117.72 5487.28,4117.72 5497.28,4107.72 5497.28,4097.31 5544.59,4050 6270,4050 v1(6350,4130)
  Solder Side w11.81: DD7.38@4605,4910 4910,4605 4910,3980 v1(4950,3940)
SPI2_MOSI: DD7.39 R16.2 VD13.2 | length 4442.4
  Component Side w39.37: v1(5690,4125) 5784.65,4219.65 6645,4219.65 VD13.2@6825,4039.65 6839.65,4039.65 6945,4145 7030,4145 7125.31,4240.31 7208.03,4240.31 7251.85,4284.13 7251.85,4291.85 7425,4465 R16.2@7441,4465
  Signal Layer 1 w11.81: DD7.39@4505,5010 4455,4960 4455,4855 4540,4770 4540,4739.59 4600,4679.59 4600,4640 4571.34,4611.34 4546.34,4611.34 4430.41,4495.41 4430.41,4230 4552.72,4107.69 4552.72,4107.28 4640,4020 4910,4020 4950,4060 4950,4070 5060,4180 v1(5160,4180)
  Signal Layer 1 w39.37: v1(5160,4180) 5510.1,4180 5521.6,4191.5 5568.4,4191.5 5579.9,4180 5635,4180 v1(5690,4125)
SPI2_SCK: DD7.37 R14.2 VD4.2 | length 4753.6
  Component Side w11.81: 5555,5425 5555,5350.41 5517.28,5312.69 5517.28,5197.72 5655,5060 5655,4870 5695,4830 5875,4830 5922.72,4782.28 6422.28,4782.28 6455,4815 6965,4815 6995,4845
  Component Side w19.68: v1(4840,5415) 4935,5415 5035,5315 5410,5315 5443.35,5348.35 5443.35,5412.27 5448.31,5417.23 5448.31,5428.31 5456.65,5436.65 5509.32,5436.65 5510.98,5435 5545,5435 5555,5425
  Component Side w39.37: 6995,4845 7295,4545 7510,4545 7510,4315 7465,4270 R14.2@7441,4270 7395,4270 7345,4220 7345,4160 7224.65,4039.65 VD4.2@7205,4039.65
  Signal Layer 1 w39.37: DD7.37@4605,5010 4630,5010 4643.98,5023.98 4643.98,5071.02 4691.02,5071.02 4838.5,5218.5 4838.5,5288.4 4840,5289.9 v1(4840,5415)
TX: DD3.7 DD7.40 R34.1 XP14.1 XP27.1 | length 3730.9
  Component Side w11.81: R34.1@3755,3780.51 3819.49,3780.51 v1(3820,3780)
  Solder Side w11.81: v1(3820,3780) 4500,3780 4850,4130 ; DD7.40@4505,4910 4850,4565 4850,3855 4905,3800 5820,3800 5877.05,3742.95 DD3.7@5877.05,3715.12
  Solder Side w19.68: XP14.1@5878.11,3524.02 XP27.1@5878.11,3619.02
  Solder Side w39.37: DD3.7@5877.05,3715.12 5878.11,3714.06 XP27.1@5878.11,3619.02
V_SENSE: C35.2 DD7.9 R59.2 R60.1 | length 427.5
  Component Side w39.37: C35.2@5900,5249 R60.1@5900,5170 6001,5170 6006,5165 ; DD7.9@6005,5010 6006,5011 6006,5165 ; R59.2@6006,5250 6006,5165
VB_A: C5.2 C6.1 DD4.6 VD10.2 | length 380
  Solder Side w39.37: VD10.2@6188.03,5528.39 6207.72,5548.07 C6.1@6365.2,5548.07 6443.8,5548.07 C5.2@6451.81,5540.06 6548.52,5540.06 DD4.6@6554.17,5545.71
VB_B: C11.2 C12.1 DD5.6 VD11.2 | length 363.3
  Solder Side w39.37: VD11.2@5025.08,5548.07 5194.37,5548.07 5272.97,5548.07 C11.2@5280.98,5540.06 5379.27,5540.06 DD5.6@5383.35,5544.13
VB_C: C17.2 C18.1 DD6.6 VD12.2 | length 537
  Solder Side w39.37: VD12.2@3647.13,5548.07 C18.1@3816.42,5548.07 3895.02,5548.07 C17.2@3903.03,5540.06 DD6.6@4175,5540 ; DD6.6@4186.31,5545.06 DD6.6@4190.39,5549.13
VBAT: DD3.1 XP21.1 | length 111.1
  Solder Side w39.37: XP21.1@5277.05,3604.02 DD3.1@5277.05,3715.12
pads on no net: DD4.8 DD5.8 DD6.8 DD7.2 DD7.3 DD7.4 DD7.5 DD7.12 DD7.16 DD7.19 DD7.20 DD7.23 DD7.24 DD7.25 DD7.32 DD7.36 DD7.42 DD7.43 DD7.44 DD7.45 DD7.46 DD7.47 DD7.48 DD7.57 DD7.58 DD7.60 DD7.61 DD7.62 DD7.63 DD7.64 DD7.65 DD7.66 DD7.67 DD7.68 DD7.71 DD7.72 DD7.75 DD7.76 DD7.77 DD7.78 DD7.79 DD7.80 DD7.81 DD7.82 DD7.83 DD7.84 DD7.85 DD7.86 DD7.87 DD7.88 DD7.90 DD7.91 DD7.92 DD7.93 DD7.94 DD7.95 DD7.96 DD7.97 DD7.98 DD8.1 DD8.4 DD9.1 DD9.4 DD10.1 DD10.4 DD11.1 DD11.4 DD12.1 DD12.4 DD13.1 DD13.4 DD14.1 DD14.4 DD15.1 DD15.4
copper on no net: | length 7915.8
  Solder Side w19.68: 3627.44,2969.33 ccw(c3509.33,2969.33) 3627.44,2969.33 ; 3627.44,5095.31 ccw(c3509.33,5095.31) 3627.44,5095.31 ; 3706.18,2969.33 ccw(c3509.33,2969.33) 3706.18,2969.33 ; 3706.18,5095.31 ccw(c3509.33,5095.31) 3706.18,5095.31 ; 7564.45,2969.33 ccw(c7446.34,2969.33) 7564.45,2969.33 ; 7564.45,5095.31 ccw(c7446.34,5095.31) 7564.45,5095.31 ; 7643.19,2969.33 ccw(c7446.34,2969.33) 7643.19,2969.33 ; 7643.19,5095.31 ccw(c7446.34,5095.31) 7643.19,5095.31

## Polygon pours and split planes (outlines as drawn)
GND on Solder Side "GNDD1" (solid, remove dead copper, pour order 18): 3155,6670 3165,6660 7800.67,6660 7800.67,2615.67 7800,2615 3165,2615
GND on Solder Side "Bottom Layer, Bottom-GND" (solid, shelved, pour order 16): 3391.22,6453.58 3332.17,6394.53 3328.23,5890.59 3304.61,5874.84 3304.61,5851.22 3304.61,5803.98 3328.23,5780.35 3332.17,3559.88 3155,3559.88 3155,2615 7800.67,2615 7800.67,6473.27
+36V_I on Solder Side "Bottom Layer, Bottom-+36V" (solid, shelved, pour order 14): 6186.5,6394.53 6225.87,6433.9 6521.14,6433.9 6540.83,6414.21 6540.83,6394.53 6560.51,6374.84 6599.88,6374.84 6619.57,6394.53 6619.57,6433.9 6678.62,6492.95 7288.86,6492.95 7387.28,6394.53 7584.13,6394.53 7643.19,6453.58 7682.56,6492.95 7682.56,6591.38 7643.19,6630.75 3529.02,6630.75 3194.37,6630.75 3194.37,6020.51 3194.37,3504.76 3265.24,3433.9 3832.17,3433.9 3855.79,3457.52 3855.79,3504.76 3840.04,3528.39 3343.98,3528.39 3288.86,3583.5 3288.86,5756.73 3249.49,5811.85 3249.49,5835.47 3249.49,5859.09 3249.49,5866.97 3320.35,5937.83 3351.85,6020.51 3351.85,6374.84 3410.91,6433.9 3489.65,6433.9 3588.07,6433.9 3769.17,6433.9 3792.8,6410.28 3792.8,6378.78 3840.04,6378.78 3840.04,6449.65 3879.41,6512.64 4493.58,6512.64 4611.69,6394.53 4788.86,6394.53 5025.08,6394.53 5025.08,6414.21 5044.76,6433.9 5064.45,6453.58 5123.5,6453.58 5162.87,6433.9 5182.56,6355.16 5221.93,6374.84 5221.93,6433.9 5300.67,6512.64 5871.54,6512.64 5989.65,6394.53
+12V on Solder Side "Bottom Layer, Bottom-+12V 3" (solid, shelved, pour order 12): 3607.76,5882.72 3607.76,5705.55 3647.13,5705.55 3706.18,5705.55 3765.24,5764.61 3784.92,5784.29 3922.72,5784.29 3981.77,5823.66 3981.77,5863.03 3922.72,5863.03 3804.61,5863.03 3765.24,5863.03 3745.55,5882.72
+12V on Solder Side "Bottom Layer, Bottom-+12V 2" (solid, shelved, pour order 10): 5241.61,3658.31 5241.61,3579.57 5351.85,3426.02 5619.57,3426.02 5619.57,3552.01 5497.52,3677.99 5261.3,3677.99
PHASE_A on Solder Side "Bottom Layer, Bottom-PHASE_A" (solid, shelved, pour order 8): 6717.99,6335.47 6993.58,6335.47 7013.27,6355.16 7013.27,6394.53 7052.64,6433.9 7111.69,6433.9 7131.38,6414.21 7151.06,6394.53 7151.06,6374.84 7151.06,6355.16 7190.43,6335.47 7210.12,6355.16 7210.12,6453.58 7190.43,6473.27 6717.99,6473.27 6698.31,6473.27 6658.94,6433.9 6658.94,6374.84 6678.62,6335.47
PHASE_B on Solder Side "Bottom Layer, Bottom-PHASE_B" (solid, shelved, pour order 4): 5332.17,6335.47 5607.76,6335.47 5627.44,6355.16 5627.44,6394.53 5666.81,6433.9 5725.87,6433.9 5745.55,6414.21 5765.24,6394.53 5765.24,6374.84 5765.24,6355.16 5804.61,6335.47 5824.29,6355.16 5824.29,6453.58 5804.61,6473.27 5332.17,6473.27 5312.48,6473.27 5273.11,6433.9 5273.11,6374.84 5292.8,6335.47
+12V on Solder Side "Bottom Layer, Bottom-+12V" (solid, shelved, pour order 2): 4997.52,5851.22 4997.52,5733.11 5021.14,5717.36 5068.39,5717.36 5143.19,5764.61 5162.87,5784.29 5300.67,5784.29 5359.72,5823.66 5359.72,5863.03 5300.67,5863.03 5182.56,5863.03 5143.19,5863.03 5123.5,5882.72
PHASE_C on Solder Side "Bottom Layer, Bottom-PHASE_C" (solid, shelved, pour order 0): 3954.21,6327.6 4229.8,6327.6 4249.49,6347.28 4249.49,6386.65 4288.86,6426.02 4347.91,6426.02 4367.6,6406.34 4387.28,6386.65 4387.28,6366.97 4399.09,6347.28 4430.59,6339.41 4446.34,6355.16 4446.34,6445.71 4426.65,6465.39 3954.21,6465.39 3934.53,6465.39 3895.16,6426.02 3895.16,6366.97 3914.84,6327.6
GND on Component Side "GNDD1" (solid, remove dead copper, pour order 20): 3155,6670 3165,6660 7800.67,6660 7800.67,2615.67 7800,2615 3165,2615
+36V_I on Signal Layer 1 "+36V_MID" (solid, remove dead copper, pour order 26): 3198.82,6643.7 7775.59,6643.7 7775.59,3494.09 6151.57,3494.09 6053.15,3395.67 4822.83,3395.67 4822.83,3592.52 6742.13,5511.81 6692.91,5561.02 6692.91,6200.79 3198.82,6200.79
+12V on Signal Layer 1 "+12V_MID" (solid, remove dead copper, pour order 24): 3149.61,6151.57 5954.72,6151.57 6643.7,6151.57 6643.7,5511.81 4773.62,3641.73 4773.62,3346.46 6102.36,3346.46 6151.57,3395.67 6200.79,3444.88 7775.59,3444.88 7775.59,2608.27 3149.61,2608.27

## Keep-outs
Keep-Out Layer, Board:
  lines w5: 3155,2615 3155,6670.12 7800.67,6670.12 7800.67,2615 3155,2615
  lines w10: 3155,2615 7800.67,2615 7800.67,6670.12 3155,6670.12 3155,2615

## Silkscreen, mask and mechanical layers (free items; w line width, h text height)
Top Overlay:
  lines w3.94: 3509.33,2969.33 7446.34,2969.33 7446.34,5095.31 3509.33,5095.31 3509.33,2969.33